# KiCad board Coral Dev Board Micro-PcbDoc.kicad_pcb (continued)
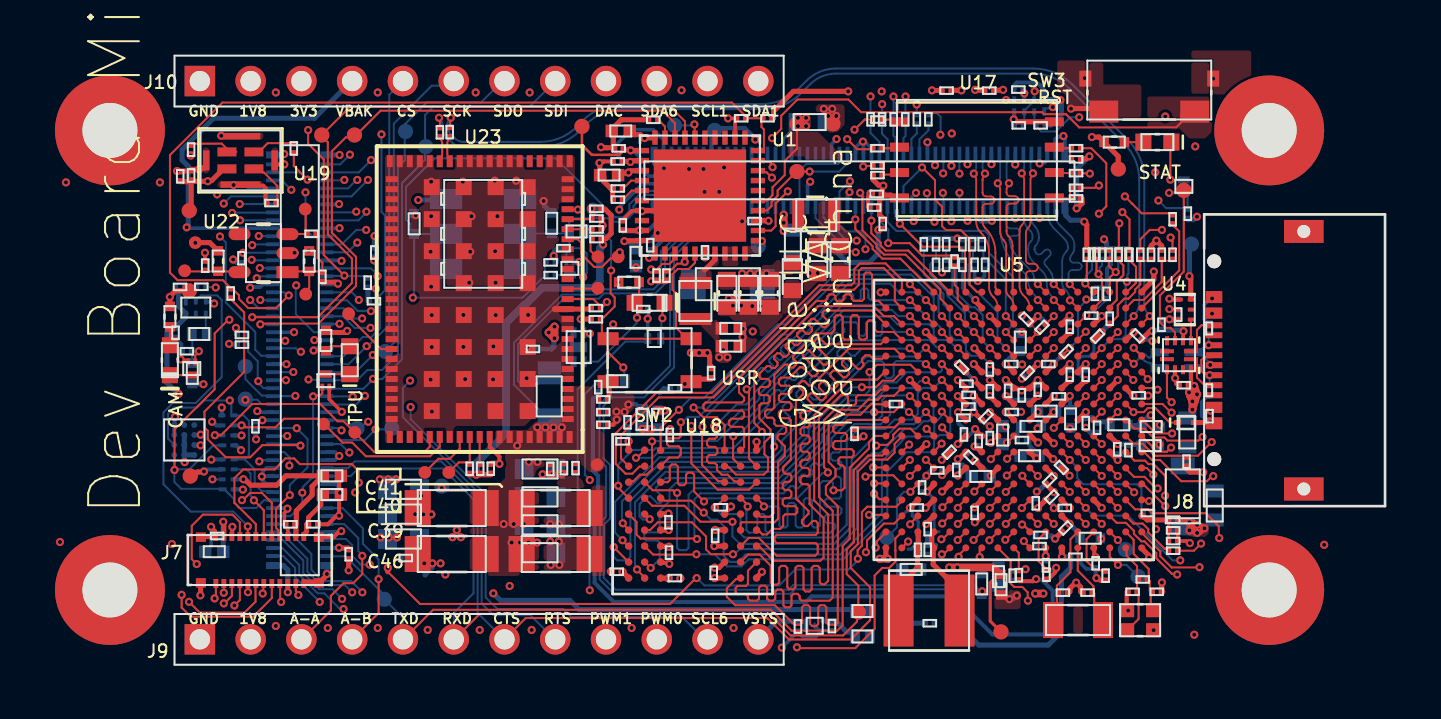
[diagram p0: board, top side]
## Routing (per net, layer and track width the routed paths; a pad name or vN(x,y) marks a point on that pad's centre or on a via; arc(x,y) is an arc through that point) (continued)
SEMC_WE: length 21.4
  Top w0.102: v1(39.02,15.85) U5.E5 ; v1(22.83,8.96) 22.83,8.86 U18.F9
  Bottom w0.102: v1(39.02,15.85) 38.98,15.89 38.76,15.89 38.4,16.25 36.19,16.25 36.18,16.24 33.99,16.24 28.6,10.84 24.71,10.84 24.62,10.75 23.55,10.75 22.83,10.03 v1(22.83,8.96)
SPI6_SCK__JTAG_nTRST: length 52.2
  Top w0.102: v1(39.04,7.07) U5.R5
  In2.Cu w0.102: v1(39.04,7.07) 38.98,7.07 38.58,6.67 36.72,6.67 34.15,9.24 33.16,9.24 32.18,10.22 32.18,11.16 30.55,12.79 27.81,12.79 26.92,13.68 25.29,13.68 24.96,14.01 22.45,14.01 22.04,14.42 18.96,14.42 17.94,15.44 10.61,15.44 v1(10.55,15.5)
  Bottom w0.102: 8.26,14.64 9.69,14.64 10.61,15.56 11.07,15.56 11.6,16.1 11.6,27.08 13.5,28.98 14.34,28.98 14.6,29.24
SPI6_SDI__JTAG_TDI: length 59.4
  Top w0.102: v1(39.02,5.53) 39.11,5.53 39.42,5.84 U5.U5
  In5.Cu w0.102: v1(10.56,14.31) 11.21,13.66 22.66,13.66 23.47,14.47 26.25,14.47 26.51,14.2 30.13,14.2 34.18,10.15 34.18,7.31 35.05,6.44 35.97,6.44 37.07,5.34 38.81,5.34 39,5.53 v1(39.02,5.53)
  Bottom w0.102: J10.8 18.4,27.93 13.59,27.93 13.17,27.51 13.17,25.28 12.9,25.01 12.9,24.99 ; 12.86,24.96 12.86,24.95 12.01,24.1 12.01,15.29 11.02,14.29 10.58,14.29 v1(10.56,14.31) 10.56,14.29 10.08,13.81 8.28,13.81 8.26,13.84
SPI6_SDO__JTAG_TDO: length 59.8
  Top w0.102: v1(39,6.28) 39.05,6.28 U5.T5
  In2.Cu w0.102: v1(7.33,14.28) 7.97,14.92 13.95,14.92 14.96,13.91 21.64,13.91 21.97,13.58 24.81,13.58 25.14,13.25 26.78,13.25 27.64,12.39 30.17,12.39 31.59,10.97 31.59,9.91 34.84,6.66 35.87,6.66 36.95,5.58 38.26,5.58 38.96,6.28 v1(39,6.28)
  Bottom w0.102: 17.06,29.24 15.96,28.14 13.24,28.14 12.15,27.04 12.15,25.24 11.81,24.9 11.81,15.55 11.01,14.75 10.28,14.75 9.77,14.24 8.26,14.24 8.24,14.26 7.35,14.26 v1(7.33,14.28)
TPU_BOOT_FAIL: length 36.2
  Top w0.102: v1(39.04,11.88) 39.04,11.86 39.42,11.47 U5.K5 ; u23.85 20.31,22.79 20.8,22.79 v1(20.81,22.78)
  In5.Cu w0.102: v1(20.81,22.78) 22.16,24.12 27.87,24.12 29.26,25.51 29.26,26.35 29.62,26.71 30.67,26.71 32.3,25.09 34.43,25.09 35.22,24.29 35.26,24.29 35.81,23.74 35.81,23.31 35.53,23.03 34.44,23.03 34.21,22.8 34.21,22.24 34.67,21.78 35.03,21.78 36.32,20.49 36.32,16.07 36.01,15.76 36.01,13.05 36.83,12.24 38.68,12.24 v1(39.04,11.88)
TPU_INTR: length 1.5
  Top w0.102: u23.77 20.32,18.82 21.79,18.82 TP38.1
TPU_POW_EN: length 21.4
  Top w0.102: v1(37.38,11.02) 37.38,11.01 37.02,10.65 U5.L2
  In2.Cu w0.102: v1(23.77,17.37) 24.3,17.9 27.55,17.9 27.86,17.59 29.87,17.59 35.2,12.26 36.14,12.26 v1(37.38,11.02)
  Bottom w0.102: 23.78,17.8 23.78,17.79 23.78,17.37 v1(23.77,17.37) 23.75,17.34 23.75,17.09 21.83,15.17 U21.3
TPU_RST_L: length 22.4
  Top w0.102: 22.01,17.87 21.59,18.3 u23.76 ; 22.01,17.87 22.01,17.85 ; 22.01,17.87 22.26,18.12 v1(22.26,18.15) ; U5.M4 38.62,9.85 38.22,10.25 v1(38.22,10.25)
  In2.Cu w0.102: v1(22.26,18.15) 23.46,16.96 25.49,16.96 25.9,17.37 29.71,17.37 35.02,12.06 35.84,12.06 37.24,10.66 37.82,10.66 v1(38.22,10.25)
USB2_TPU_N: length 47.5
  Top w0.102: U5.C16 v1(48.62,17.45) ; 13.91,26.95 13.91,27.33 v1(13.87,27.37)
  Bottom w0.102: v1(13.87,27.37) arc(13.87,27.33) 13.9,27.29 13.95,27.24 arc(14.01,27.15) 14.03,27.05 14.03,26.89 arc(14.08,26.64) 14.22,26.43 14.5,26.15 arc(14.76,25.98) 15.07,25.91 18.94,25.91 arc(19.37,25.95) 19.78,26.04 arc(20.39,26.32) 20.92,26.73 21.25,27.06 arc(22.07,27.61) 23.04,27.81 30.03,27.81 arc(31.1,28.02) 32,28.62 32.43,29.05 arc(33.02,29.44) 33.72,29.58 43.6,29.58 arc(44.57,29.39) 45.39,28.84 48.15,26.08 arc(48.7,25.26) 48.9,24.29 48.9,18.11 arc(48.82,17.75) v1(48.62,17.45)
USB2_TPU_P: length 47.5
  Top w0.102: U5.C17 v1(49.42,17.45) ; v1(14.45,27.37) 14.42,27.35 14.42,26.98 14.4,26.96
  Bottom w0.102: v1(14.45,27.37) arc(14.44,27.33) 14.42,27.29 14.37,27.24 arc(14.31,27.15) 14.28,27.05 14.28,26.94 arc(14.32,26.74) 14.44,26.57 14.68,26.33 arc(14.86,26.21) 15.08,26.17 18.94,26.17 arc(19.34,26.2) 19.74,26.29 arc(20.27,26.54) 20.74,26.91 21.07,27.24 arc(21.98,27.85) 23.04,28.06 30.03,28.06 arc(31,28.25) 31.83,28.8 32.25,29.23 arc(32.93,29.68) 33.72,29.84 43.6,29.84 arc(44.67,29.63) 45.57,29.02 48.33,26.26 arc(48.94,25.36) 49.15,24.29 49.15,18.11 arc(49.22,17.75) v1(49.42,17.45)
USB_CC1: length 2.2
  Top w0.102: 52.62,13.99 52.53,14.08 52.08,14.08 51.79,14.37 51.79,15.18 51.78,15.18 51.78,15.24 51.74,15.29 U20.1
USB_CC2: length 2.3
  Top w0.102: 52.62,16.99 52.02,16.99 51.79,16.76 51.79,15.8 51.78,15.8 51.78,15.74 51.74,15.69 U20.2
USB_DN_CON: length 3.2
  Top w0.102: 52.62,15.49 52.52,15.39 52.15,15.39 52.01,15.25 52.01,14.71 52.13,14.59 52.32,14.59 v1(52.42,14.49)
  Bottom w0.102: L7.1 51.87,14.84 52.17,14.55 52.36,14.55 v1(52.42,14.49) 52.42,14.04 ESD2.2
USB_DP_CON: length 2.8
  Top w0.102: v1(52.37,15.99) 52.62,15.99 52.62,15.99 ; v1(52.45,15) 52.61,15 52.62,14.99
  Bottom w0.102: ESD1.2 52.37,16.53 v1(52.37,15.99) 52.31,15.94 52.17,15.94 51.87,15.64 ; L7.4 51.89,15.64 51.89,15.63 52.03,15.49 52.04,15.49 52.45,15.08 v1(52.45,15)
USB_OTG1_ID: length 11.2
  Top w0.102: v1(51.99,6.06) 51.63,5.71 50.89,5.71 ; 50.29,14.76 50.29,13.37 v1(50.52,13.14) ; 50.92,5.72 50.92,5.81
  In5.Cu w0.102: v1(50.52,13.14) 50.53,13.14 51.41,12.26 51.41,8.68 52.52,7.57 52.52,6.56 52.02,6.06 v1(51.99,6.06)
USB_OTG1_ID_RT: length 2.9
  Top w0.102: 50.29,5.76 50.24,5.81 50.16,5.81 49.35,6.62 49.35,6.78 49.07,7.06 48.61,7.06 U5.R16
USB_PORT: length 1.1
  Top w0.102: U4.4 51.48,17.27 51.48,16.22 U20.3
USB_PORT_RT: length 20.2
  Top w0.102: 50.88,17.77 50.86,17.79 50.38,17.79 50.36,17.8 ; v1(50.8,4.51) 50.76,4.55 50.53,4.55 49.75,5.33 49.75,5.58 49.16,6.18 49.01,6.18 48.63,6.55 48.63,6.7 48.23,7.1 47.77,7.1 U5.R15
  In5.Cu w0.102: 50.36,17.8 50.03,17.47 50.03,17.11 50.14,17.01 50.14,14.09 50.24,13.99 50.24,13.65 49.96,13.37 49.96,12.66 51.05,11.57 51.05,5.74 51.3,5.48 51.3,5.05 50.8,4.54 v1(50.8,4.51)
  Bottom w0.102: 50.85,17.82 50.83,17.81 50.38,17.81 50.36,17.8 50.38,17.79
  vias: v1(50.4,17.8)
USDHC2_CLK: length 59.3
  Top w0.102: U5.F14 v1(47.02,15.05)
  In2.Cu w0.102: v1(4.52,21) 5.1,21 5.28,21.18 5.28,25.34 5.88,25.94 6.44,25.94 6.65,25.72 8.3,25.72 8.53,25.95 9.75,25.95 10.02,25.68 11.34,25.68 11.48,25.82 18.82,25.82 19.3,26.31 23.54,26.31 24.12,25.72 29.84,25.72 30.09,25.97 32.57,25.97 33.44,25.1 33.44,21.36 34.59,20.21 36.47,20.21 36.8,20.55 38.04,20.55 38.23,20.36 43.85,20.36 45.02,19.19 45.02,14.91 45.26,14.67 46.64,14.67 v1(47.02,15.05)
  Bottom w0.102: J5.79 4.56,21.04 v1(4.52,21)
USDHC2_CMD: length 64.6
  Top w0.102: U5.E14 v1(47.02,15.85)
  In2.Cu w0.102: v1(4.85,21.46) 4.9,21.51 4.9,25.75 5.58,26.43 6.85,26.43 7.08,26.2 7.84,26.2 8.2,26.56 10.05,26.56 10.63,25.99 11.22,25.99 11.36,26.13 18.69,26.13 19.28,26.72 24.76,26.72 25.35,26.13 28.88,26.13 29.46,26.71 30.75,26.71 31.13,26.33 32.94,26.33 33.32,26.71 34.02,26.71 34.46,27.16 34.82,27.16 35.43,26.55 35.43,25.95 35.15,25.67 34.87,25.67 34.53,25.33 34.53,24.7 34.88,24.35 36.47,24.35 36.88,23.94 36.88,23.39 37.45,22.81 44.19,22.81 44.75,23.37 45.97,23.37 46.2,23.13 46.2,22.73 45.79,22.32 45.79,21.75 46.85,20.69 47.27,20.69 48.31,19.65 48.31,19.19 v1(48.28,19.17)
  Bottom w0.102: 48.36,20.22 48.36,19.58 48.31,19.53 48.31,19.19 48.22,19.11 48.22,18.96 48.22,18.96 48.22,16.49 48.02,16.29 47.47,16.29 v1(47.02,15.85) ; J5.81 5.54,21.45 4.86,21.45 v1(4.85,21.46)
USDHC2_DATA0: length 66.1
  Top w0.102: U5.E15 v1(47.82,15.85)
  In2.Cu w0.102: v1(47.82,15.85) 47.39,16.28 47.39,17.78 48.64,19.02 48.64,19.73 47.43,20.94 46.99,20.94 46.5,21.42 46.5,23.11 45.99,23.63 44.59,23.63 43.97,23.02 37.54,23.02 37.08,23.47 37.08,24.12 36.63,24.57 34.94,24.57 34.73,24.78 34.73,25.18 35,25.44 35.3,25.44 35.63,25.77 35.63,26.64 34.87,27.4 34.36,27.4 33.93,26.97 33.24,26.97 32.81,26.54 31.22,26.54 30.83,26.92 29.38,26.92 28.82,26.36 25.41,26.36 24.84,26.92 19.2,26.92 18.66,26.38 11.32,26.38 11.13,26.19 10.79,26.19 10.21,26.76 8.12,26.76 7.76,26.4 7.17,26.4 6.83,26.74 5.51,26.74 4.7,25.93 4.7,22.12 4.02,21.44 4.02,20.66 v1(4.06,20.62)
  Bottom w0.102: v1(4.06,20.62) 4.03,20.64 3.98,20.64 4.01,20.62 5.52,20.62 J5.77
USDHC2_DATA1: length 58.5
  Top w0.102: U5.H13 v1(46.22,13.45)
  In2.Cu w0.102: v1(46.22,13.45) U5.H13 44.52,13.05 44.24,13.32 44.24,14.34 43.94,14.65 43.72,14.65 43.44,14.93 43.44,18.04 41.72,19.76 39.93,19.76 39.44,19.28 38.88,19.28 38.59,19.57 38.3,19.57 37.83,20.04 37.01,20.04 36.6,19.63 34.46,19.63 32.92,21.16 32.92,24.85 32.31,25.46 30.32,25.46 29.19,24.33 26.06,24.33 25.8,24.07 23.06,24.07 22.53,24.61 21.44,24.61 20.78,25.27 11.88,25.27 11.31,24.7 8.11,24.7 7.92,24.88 6.78,24.88 5.84,23.94 5.84,20.8 v1(4.9,19.86)
  Bottom w0.102: v1(4.9,19.86) 5.53,19.86 J5.73
USDHC2_DATA2: length 60.1
  Top w0.102: v1(47.02,12.67) 47.02,12.65 U5.J14
  In2.Cu w0.102: v1(47.02,12.67) 46.61,13.09 46.61,13.57 46.37,13.8 45.29,13.8 44.22,14.88 44.22,19.25 43.41,20.05 38.1,20.05 37.92,20.24 36.93,20.24 36.52,19.83 34.54,19.83 33.13,21.24 33.13,24.94 32.41,25.66 30.24,25.66 29.84,25.27 26.11,25.27 25.12,24.28 23.19,24.28 22.58,24.89 22.58,24.93 22.01,25.49 11.58,25.49 10.99,24.9 8.36,24.9 8.15,25.11 6.72,25.11 5.63,24.03 5.63,20.97 4.92,20.26 v1(4.49,20.26)
  Bottom w0.102: J5.75 4.51,20.24 v1(4.49,20.26)
USDHC2_DATA3: length 61
  Top w0.102: U5.J15 v1(47.82,12.65)
  In2.Cu w0.102: v1(47.82,12.65) 47.47,12.29 44.47,12.29 44.27,12.5 44.27,12.9 44.09,13.07 43.63,13.07 43.38,13.33 43.38,14.47 43.17,14.67 42.85,14.67 42.62,14.9 42.62,17.99 41.05,19.56 40.19,19.56 39.65,19.02 38.86,19.02 38.5,19.37 38.22,19.37 37.75,19.84 37.1,19.84 36.68,19.42 34.36,19.42 32.52,21.26 32.52,23.57 30.84,25.26 30.41,25.26 29.27,24.12 26.18,24.12 25.93,23.87 22.98,23.87 22.44,24.4 21.35,24.4 20.69,25.06 12.21,25.06 11.06,23.91 8.24,23.91 7.46,24.68 6.87,24.68 6.04,23.85 6.04,20.38 5.04,19.37 4.77,19.37 v1(4.75,19.35)
  Bottom w0.102: v1(4.75,19.35) 4.84,19.44 J5.71
USER_BUTTON: length 51.4
  Top w0.102: U5.R10 v1(43.82,7.05)
  In2.Cu w0.102: v1(6.27,11.45) 6.28,11.46 7.12,11.46 8.49,10.09 14.46,10.09 15.49,9.06 21.23,9.06 v1(21.41,9.24) 21.41,8.78 22.25,7.94 25.8,7.94 26.51,7.23 27.73,7.23 28.24,6.72 30.27,6.72 33.78,3.22 38.03,3.22 38.34,2.91 41.36,2.91 41.83,3.39 41.83,4.01 43.48,5.66 43.48,6.71 v1(43.82,7.05)
  Bottom w0.102: J5.31 6.26,11.44 v1(6.27,11.45) ; v1(21.41,9.24) 21.41,9.26 21.17,9.51 21.17,13.54 21.73,14.1 21.73,14.12 21.8,14.19 22.38,14.19
USER_LED: length 67.6
  Top w0.102: U5.M10 v1(43.82,9.45)
  In2.Cu w0.102: v1(43.82,9.45) 44.24,9.03 44.8,9.03 45.03,8.81 45.03,6.78 45.39,6.42 45.39,3.75 43.73,2.1 38,2.1 37.7,2.41 32.51,2.41 31.19,3.73 v1(21.41,3.73) 21.35,3.67 21.21,3.67 21.2,3.65 19.63,3.65 18.68,4.6 17.89,4.6 15.39,7.1 9.02,7.1 9.01,7.1 8.72,7.1 8.71,7.1 8.57,7.1 7.57,8.11 7.57,8.57 6.85,9.29 5.76,9.29 v1(4.87,10.18)
  Bottom w0.102: Q2.1 24.29,16.17 23.19,16.17 20.8,13.78 20.8,8.84 21.4,8.25 21.4,3.74 v1(21.41,3.73) ; J5.25 5.54,10.24 5.02,10.24 4.96,10.18 v1(4.87,10.18)
VSYS: length 21.6
  Top w0.203: 50.89,7.25 50.91,7.24 51.24,7.24 51.35,7.13 v1(51.41,7.13)
  Top w0.254: v1(51.41,6.72) v1(51.41,7.13) 51.62,7.13 51.75,7 v1(51.79,7) ; v1(51.41,6.72) 51.68,6.63 51.72,6.6 v1(51.79,6.6) 51.82,6.63 51.95,6.63 52.15,6.83 ; v1(51.41,6.72) 51.45,6.72 51.7,6.97 51.76,6.97 v1(51.79,7) ; 52.15,6.83 52.12,6.83 51.97,6.97 51.82,6.97 v1(51.79,7) ; 52.15,6.83 v1(52.16,6.83) ; 27.48,14.94 27.41,14.94 27.41,15.44 27.29,15.56 27.29,15.6
  Top w0.381: 27.29,15.6 27.29,15.6 26.89,15.6 26.88,15.61 v1(26.47,15.61)
  In2.Cu w0.254: 27.29,15.6 26.89,15.6 26.88,15.61 v1(26.47,15.61)
  In2.Cu w0.381: v1(11.72,9.28) v1(11.31,9.28) v1(10.91,9.28) ; v1(11.76,6.37) v1(11.35,6.37) v1(10.94,6.37)
  In3.Cu w0.381: v1(10.94,6.37) v1(11.35,6.37) v1(11.76,6.37)
  In4.Cu w0.381: 11.81,6.37 v1(11.76,6.37) v1(11.35,6.37) 10.99,6.37 ; v1(10.91,9.28) v1(11.31,9.28) v1(11.72,9.28) ; v1(26.47,15.61) 26.88,15.61 26.89,15.6 27.29,15.6 27.29,15.6 ; v1(51.79,6.6) v1(52.16,6.83) v1(51.41,7.13) v1(51.41,6.72) v1(51.79,6.6)
  In5.Cu w0.381: 27.29,15.6 27.29,15.6 26.89,15.6 26.88,15.61 v1(26.47,15.61) ; v1(11.72,9.28) v1(11.31,9.28) v1(10.91,9.28) ; v1(11.76,6.37) 11.75,6.36 11.6,6.36 11.59,6.36 11.35,6.36 ; 10.99,6.37 v1(11.35,6.37) ; v1(51.41,6.72) v1(51.41,7.13) 51.43,7.13 51.44,7.11 v1(52.16,6.83) v1(51.79,6.6) v1(51.41,6.72)
  Bottom w0.102: 51.13,6.93 51.33,6.72 v1(51.41,6.72) ; 31.79,2.18 31.79,2.18 ; 32.27,2.18 U2.4
  Bottom w0.254: 31.79,2.18 32.27,2.18 ; U2.4 32.23,2.14 32.23,1.76 U2.3 ; J9.12 30.75,2.18 31.79,2.18
  Bottom w0.381: v1(10.91,9.28) v1(11.31,9.28) v1(11.72,9.28)
  vias: v1(26.88,15.61) v1(27.29,15.61)
VSYS_DA: length 17.9
  Top w0.254: U1.40 24.67,26.38 24.66,26.37 24.16,26.37 v1(24.15,26.36) 24.11,26.36 23.94,26.53 23.59,26.53 C32.1
  In2.Cu w0.381: v1(29.03,19.58) v1(29.43,19.58) v1(29.84,19.58) v1(30.25,19.58)
  In3.Cu w0.508: v1(30.25,19.58) v1(29.84,19.58) v1(29.43,19.58) v1(29.03,19.58)
  In4.Cu w0.254: v1(29.03,19.58) 29.03,20.52 27.47,22.08 26.5,22.08 24.48,24.1 23.24,24.1 22.88,24.45 22.88,25.93 23.31,26.36 v1(24.15,26.36)
  In4.Cu w0.381: v1(29.03,19.58) 29.03,19.57 29.16,19.57 29.17,19.56 29.42,19.56 v1(29.43,19.58) v1(29.84,19.58) v1(30.25,19.58)
  In5.Cu w0.381: v1(29.03,19.58) v1(29.43,19.58) v1(29.84,19.58) v1(30.25,19.58)
VSYS_SNVS_D: length 2
  Bottom w0.102: U2.1 33.07,2.2 ; 33.52,2.2 33.53,2.2
  Bottom w0.254: 33.07,2.2 33.52,2.2 ; 33.53,2.2 33.7,2.2 34.27,1.64 34.55,1.64 34.67,1.52 D2.A
VUSB: length 16.3
  Top w0.102: v1(52.54,17.57) 52.59,17.57 52.62,17.6 ; 52.62,12.88 52.62,12.87 v1(52.47,12.72)
  Top w0.178: 51.09,16.21 51.1,16.23 51.1,16.68 v1(51.11,16.69)
  Top w0.203: 51.43,13.89 51.43,13.67 v1(51.39,13.63) ; 51.43,13.99 51.48,14.05 U20.12
  Top w0.254: 51.48,18.3 51.48,19.34 51.41,19.41 v1(51.41,19.45) ; v1(49.55,16.71) 49.52,16.68 49.42,16.68 49.11,16.37 49.11,16.36 49.02,16.27 U5.D17
  Top w0.381: 51.78,13.53 v1(51.79,13.53) ; v1(51.79,13.53) v1(51.56,12.77) v1(51.56,13.18) ; v1(51.79,13.53) 51.78,13.54 51.48,13.54 51.47,13.55 ; v1(51.79,13.53) v1(51.65,13.95) 51.52,13.8 arc(51.45,13.62) 51.46,13.43 ; 51.5,13.76 51.5,13.86 51.52,13.89 ; 51.46,13.43 v1(51.39,13.63) 51.39,13.62 ; 51.46,13.43 51.47,13.42 ; 51.46,13.43 arc(51.47,13.42) 51.47,13.42 ; 51.47,13.41 v1(51.56,13.18) ; 51.47,13.41 51.47,13.42 ; 51.47,13.41 51.47,13.42 ; 51.47,13.41 v1(51.56,13.18) ; v1(51.56,13.18) 51.47,13.42 51.47,13.42 ; 51.58,13.87 51.6,13.89
  In2.Cu w0.381: v1(51.56,12.77) v1(51.56,13.18) 51.55,13.18 51.55,13.46 51.39,13.62 v1(51.39,13.63) v1(51.65,13.95) v1(51.79,13.53) 51.79,13.52 51.56,13.3
  In4.Cu w0.381: 51.46,13.56 51.47,13.54 51.47,13.42 v1(51.56,13.18) ; 51.67,13.56 51.63,13.6 51.52,13.6 ; v1(51.56,13.18) v1(51.39,13.63) 51.57,13.85 ; v1(51.56,13.18) v1(51.56,12.77) v1(51.79,13.53) 51.72,13.74 ; 51.72,13.74 v1(51.65,13.95) ; 51.72,13.74 v1(51.65,13.95) ; 51.57,13.85 51.57,13.86 ; 51.57,13.85 v1(51.65,13.95)
  Bottom w0.102: 52.41,12.74 52.45,12.74 v1(52.47,12.72)
  Bottom w0.254: v1(51.11,16.69) 51.07,16.69 51.02,16.74 50.01,16.74 50.01,16.74 49.63,16.74 49.59,16.71 v1(49.55,16.71) ; TP45.1 51.41,20.95 51.41,20.65 51.41,20.65 v1(51.41,19.45)
VUSB_R: length 0.7
  Bottom w0.102: 51.44,9.8 51.25,9.8 51.08,9.98 ; 51.25,10.05 51.41,10.2 51.44,10.2
WAKEUP: length 39.1
  Top w0.102: v1(41.4,6.23) U5.T8
  In2.Cu w0.102: v1(10.32,12.16) 10.35,12.18 10.92,12.18 11.13,11.98 18.18,11.98 18.73,11.42 21.24,11.42 23.3,9.37 24.83,9.37 25.08,9.62 29.53,9.62 32.2,6.96 32.2,6.48 34.39,4.29 38.6,4.29 38.78,4.11 40.14,4.11 41.4,5.37 v1(41.4,6.23)
  Bottom w0.102: TP9.1 9.91,11.83 10.24,12.16 v1(10.32,12.16) ; 9.64,11.83 9.22,12.24 8.26,12.24
WIFI_POWER_EN: length 47.9
  Top w0.102: U5.R11 v1(44.62,7.05)
  In2.Cu w0.102: v1(6.38,9.97) 6.46,9.97 8.53,7.89 15.1,7.89 17.41,5.58 21.05,5.58 22.7,3.93 31.52,3.93 32.84,2.61 37.78,2.61 38.09,2.3 43.43,2.3 44.5,3.37 44.5,4.26 43.86,4.89 43.86,6.29 v1(44.62,7.05)
  Bottom w0.102: v1(6.38,9.97) 6.4,9.99 6.4,10.37 6.13,10.64 J5.27
WIFI_SDIO_CLK: length 54.5
  Top w0.102: U5.D15 v1(47.82,16.65)
  In5.Cu w0.102: v1(47.82,16.65) 47.45,16.27 46.91,16.27 46.64,16.01 46.64,14.94 46.37,14.67 43.18,14.67 43.17,14.67 42.88,14.67 42.87,14.67 37.59,14.67 37.03,15.23 37.03,21.46 36.53,21.96 36.53,22.51 36.8,22.78 36.8,24.3 35.4,25.7 34.68,25.7 34.53,25.85 32.42,25.85 30.95,27.32 29.37,27.32 28.04,26 25.29,26 24.51,26.79 21.74,26.79 20.34,25.39 11.98,25.39 10.85,24.26 v1(10.31,24.26)
  Bottom w0.102: v1(10.31,24.26) 9.49,23.44 8.26,23.44
WIFI_SDIO_CMD: length 52
  Top w0.102: 50.56,20.82 50.56,21.2 50.47,21.3 v1(50.47,21.38)
  In5.Cu w0.102: v1(9.41,25.53) 10.07,26.19 11.15,26.19 11.67,26.71 20.18,26.71 21.19,27.73 27.63,27.73 28.04,28.14 30.28,28.14 31.87,29.73 44.95,29.73 46.75,27.93 48.51,27.93 51.84,24.61 51.84,23.13 50.47,21.76 v1(50.47,21.38)
  Bottom w0.102: v1(9.41,25.53) 8.92,25.04 8.26,25.04
WIFI_SDIO_CMD_R: length 3.9
  Top w0.102: U5.B16 48.63,18.26 49.12,18.26 50.03,19.16 50.03,20.22 50.56,20.22
WIFI_SDIO_D0: length 53
  Top w0.102: v1(50.03,21.76) 49.42,21.76 48.95,21.29 48.95,20.82
  In5.Cu w0.102: v1(9.13,24.26) 9.13,24.71 10.41,25.99 11.23,25.99 11.76,26.51 20.26,26.51 21.25,27.5 27.69,27.5 28.13,27.94 30.37,27.94 31.95,29.53 44.86,29.53 46.69,27.7 48.39,27.7 51.53,24.56 51.53,23.26 v1(50.03,21.76)
  Bottom w0.102: 8.26,24.24 9.11,24.24 v1(9.13,24.26)
WIFI_SDIO_D0_R: length 4.4
  Top w0.102: 48.95,20.22 48.95,19.04 48.69,18.78 48.69,18.66 48.36,18.32 48.15,18.32 47.82,17.99 47.82,17.45 U5.C15 ; 48.95,20.21 49.45,20.21
WIFI_SDIO_D1: length 49.8
  Top w0.102: v1(48.18,23.44) 49.02,22.59 50.57,22.59
  In5.Cu w0.102: v1(48.18,23.44) 48.18,25.47 46.88,26.77 45.76,26.77 45.03,27.5 43.63,27.5 42.69,28.44 42.69,28.93 42.29,29.33 32.45,29.33 30.86,27.73 28.21,27.73 27.16,26.69 26.26,26.69 25.7,27.25 21.29,27.25 20.3,26.26 11.79,26.26 11.32,25.78 10.49,25.78 9.78,25.07 v1(9.78,24.26)
  Bottom w0.102: 8.26,23.84 9.31,23.84 9.74,24.26 v1(9.78,24.26)
WIFI_SDIO_D1_R: length 5.1
  Top w0.102: 50.57,21.99 50.59,21.99 50.67,21.92 50.67,21.92 50.9,21.68 50.9,19.73 49.02,17.86 U5.B17
WIFI_SDIO_D2: length 55.9
  Top w0.102: 47.88,20.82 47.88,22.07 v1(47.9,22.09)
  In2.Cu w0.102: v1(47.9,22.09) 47.9,22.17 47.62,22.45 47.62,22.68 46.26,24.04 44.42,24.04 43.87,23.49 40.66,23.49 40.13,24.02 37.97,24.02 35.84,26.15 35.84,26.82 34.95,27.7 34.21,27.7 33.6,28.31 31.9,28.31 30.7,27.12 29.29,27.12 28.73,26.56 25.49,26.56 24.93,27.13 19.11,27.13 18.57,26.59 12.54,26.59 12.01,27.11 5.53,27.11 4.49,26.08 4.49,22.8 3.93,22.24 v1(3.91,22.24)
  Bottom w0.102: J5.85 5.54,22.24 3.91,22.24 v1(3.91,22.24)
WIFI_SDIO_D2_R: length 2.8
  Top w0.102: 47.88,20.22 47.9,20.22 47.97,20.14 47.97,20.12 48.1,19.99 48.1,19.49 48,19.39 48,19.39 47.88,19.27 47.77,19.17 47.77,18.26 47.42,17.9 U5.B15
WIFI_SDIO_D3: length 48
  Top w0.102: 48.41,20.82 48.41,22.29 v1(48.05,22.65)
  In5.Cu w0.102: v1(10.47,25.26) 11.08,25.26 11.85,26.03 20.35,26.03 21.37,27.04 25.55,27.04 26.11,26.48 28.03,26.48 29.07,27.53 31.03,27.53 31.82,28.31 34.54,28.31 35.33,29.1 38.88,29.1 39.59,28.39 41.5,28.39 42.01,27.88 42.96,27.88 43.63,27.22 44.88,27.22 46.07,26.03 46.76,26.03 47.72,25.06 47.72,22.98 v1(48.05,22.65)
  Bottom w0.102: 8.26,24.64 9.85,24.64 v1(10.47,25.26)
WIFI_SDIO_D3_R: length 2
  Top w0.102: 48.41,20.22 48.44,20.22 48.74,19.91 48.74,19.12 48.71,19.1 48.71,19.09 48.27,18.65 U5.A16
WL_ANT_SEL: length 37.5
  Top w0.102: v1(39.82,17.45) U5.C6
  In2.Cu w0.102: v1(9.72,22.67) 10.13,23.08 11.76,23.08 12.45,23.77 21.96,23.77 22.47,23.26 25.05,23.26 25.58,22.73 28.25,22.73 28.7,23.17 31.38,23.17 31.7,22.85 31.7,20.87 32.05,20.52 32.05,19.19 33.38,17.87 39.4,17.87 v1(39.82,17.45)
  Bottom w0.102: v1(9.72,22.67) 9.69,22.64 8.26,22.64
WL_HOST_WAKE: length 38.5
  Top w0.102: v1(39.82,16.65) U5.D6
  In2.Cu w0.102: v1(10.23,22.67) 12.14,22.67 12.34,22.88 17.99,22.88 18.67,23.56 21.57,23.56 22.76,22.37 23.19,22.37 23.88,23.06 24.96,23.06 25.52,22.5 28.37,22.5 28.84,22.97 31.22,22.97 31.47,22.72 31.47,20.76 31.82,20.41 31.82,19.05 33.83,17.04 39.43,17.04 v1(39.82,16.65)
  Bottom w0.102: 8.26,22.24 9.84,22.24 10.23,22.64 v1(10.23,22.67)
WL_REG_ON: length 75.5
  Top w0.102: U5.J16 48.66,11.81 49.16,11.81 49.6,11.37 50.16,11.37 50.31,11.22 51.85,11.22 52.03,11.4 v1(52.07,11.4)
  In2.Cu w0.102: v1(2.76,23.54) 2.76,25.54 5.15,27.93 18.77,27.93 18.78,27.94 26.18,27.94 26.34,28.11 28.64,28.11 28.8,27.94 30.38,27.94 31.92,29.48 44.52,29.48 46.33,27.68 48.38,27.68 51.3,24.76 51.3,22.27 51.53,22.04 51.53,19.93 51.89,19.58 51.89,16.3 51.74,16.15 51.74,14.36 52.14,13.96 52.14,13.18 51.94,12.98 51.94,12.97 51.91,12.95 51.91,11.61 52.07,11.46 v1(52.07,11.4)
  Bottom w0.102: v1(2.76,23.54) 2.88,23.65 4.12,23.65 4.31,23.84 4.97,23.84 4.97,23.84 J5.93

## Copper pours and planes (outline as drawn; the poured copper is in the pictures)
GND on Top: 47.1,29.04 47.1,30.24 44.8,30.24 44.8,28.44 46.2,27.04 48.8,27.04 49,27.24 49,29.04
GND on Top: 20.64,20.9 20.64,19.66 20.57,19.59 19.91,19.59 19.87,19.55 19.87,17.57 19.95,17.49 20.57,17.49 20.61,17.46 20.61,14.14 19.76,14.14 19.5,13.89 19.5,12.64 19.16,12.3 18.5,12.3 18.14,11.94 14.73,11.94 14.59,11.8 14.59,11.13 14.55,11.09 14.23,11.09 14.21,11.12 14.21,11.8 14.14,11.87 13.17,11.87 13.09,11.79 13.09,11.14 13.04,11.09 12.76,11.09 12.75,11.11 12.75,11.7 12.73,11.71 12.58,11.71 12.56,11.69 12.56,11.11 12.54,11.09 12.25,11.09 12.24,11.11 12.24,11.69 12.21,11.71 12.07,11.71 12.06,11.7 12.06,11.11 12.05,11.09 11.76,11.09 11.74,11.11 11.74,11.7 11.73,11.71 11.57,11.71 11.55,11.7 11.55,11.11 11.54,11.09 11.24,11.09 11.16,11.17 11.16,25.42 11.26,25.52 20.53,25.52 20.67,25.39 20.67,23.18 20.62,23.13 19.94,23.13 19.86,23.06 19.86,21.01 19.91,20.96 20.58,20.96
GND on Top: 51.5,28.54 53.6,28.54 54.5,29.44 54.5,30.74 51.5,30.74
GND on Top: 21.28,8.98 22.09,8.98 22.2,8.88 22.2,8.6 22.2,4.52 22.12,4.44 19.3,4.44 19.1,4.64 19.1,9.75 19.19,9.84 20.42,9.85
GND on Top: 32.38,20.19 32.3,20.11 32.3,19.68 32.08,19.45 31.8,19.45 31.64,19.3 31.19,19.3 31.09,19.19 31.09,18.81 30.83,18.56 27.86,18.56 27.76,18.46 27.76,17.52 27.83,17.44 28.37,17.44 28.57,17.24 28.57,15.61 28.65,15.54 29.18,15.54 31.37,17.72 32.79,19.14 34.31,19.14 34.41,19.25 34.41,20.08 34.31,20.19
GND on Top: 22.16,13.53 22.26,13.63 23.52,13.63 23.64,13.51 23.64,12.86 22.59,11.8 22.2,11.8 22.16,11.84
GND on Bottom: 19.1,10.34 19.19,10.43 20.31,10.43 20.47,10.27 20.47,4.95 20.32,4.79 19.25,4.79 19.1,4.95
GND on Bottom: 35.34,4.37 35.12,4.59 35.12,5.05 35.45,5.38 35.78,5.38 36.11,5.71 36.5,5.71 36.8,5.4 37.23,5.4 37.38,5.25 37.38,4.44 37.32,4.37
GND on Bottom: 15.3,4.03 15.38,4.11 15.38,7.36 13.3,9.44 12.44,9.44 12.29,9.29 12.29,4.95 13.2,4.03
GND on Bottom: 41.58,2.05 41.78,1.85 44.01,1.85 44.29,2.13 44.29,3.7 44.04,3.95 43.38,3.95 43,4.34 41.63,4.34 41.58,4.29
GND on Bottom: 22.55,13.2 24.22,13.2 24.23,13.21 24.34,13.1 24.34,12.44 24.28,12.38 24.24,12.41 23.68,12.41 23.5,12.24 23.01,12.24 22.89,12.12 22.89,11.05 22.75,10.91 22.74,10.93 22.39,10.93 22.28,11.03 22.28,12.96 22.48,13.15
GND on Bottom: 20.9,16.27 20.83,16.19 20.49,16.19 20.38,16.08 20.38,15.65 21.39,15.65 22.53,16.78 22.83,16.78 22.91,16.86 22.91,17.21 22.81,17.32 21.67,17.32 21.31,16.95 20.99,16.95 20.9,16.86
GND on Bottom: 12.85,12.51 12.85,20.48 13.27,20.9 13.27,25.43 20.52,25.43 21.85,26.76 22.49,26.76 22.7,26.55 22.7,24.15 22.27,23.72 20.51,23.72 20.26,23.96 17.08,23.94 16.93,23.78 16.93,20.93 17.13,20.73 18.53,20.73 18.77,20.49 18.77,19.13 17.92,18.29 17.9,18.27 16.93,17.3 16.93,11.89 16.66,11.63 16.66,10.62 16.56,10.52 14.84,10.52
GND on In1.Cu: outline of 174 points within -5.85,0.49 58.65,29.99
GND on In3.Cu: 3.53,24.88 4.94,23.47 10.71,23.47 10.78,23.41 19.15,23.41 20.09,22.47 20.09,18.69 18.6,17.2 18.6,15.65 18.69,15.56 18.69,14.11 18.27,13.7 18.27,12.26 17.37,11.36 17.37,10.72 17.55,10.55 20.33,10.55 20.43,10.65 20.43,11.89 20.84,12.3 20.85,12.29 22.34,12.29 22.34,11.57 22.08,11.31 22.08,9.58 21.83,9.33 16.43,9.33 15.93,9.82 11.05,9.82 10.3,9.07 10.3,5.56 12.28,3.57 12.28,0.54 12.01,0.27 0,0.27 0.1,0.37 0.1,30.43 0.26,30.6 3.22,30.6 3.53,30.29
GND on In3.Cu: 25.88,22.7 25.6,22.42 25.6,21.38 25.19,20.97 25.19,18.71 24.09,17.61 23.82,17.61 20.42,14.2 20.42,11.21 20.75,10.88 21.79,10.88 23.48,12.57 24.52,12.57 24.52,12.82 24.67,12.97 26.22,12.97 26.5,13.25 26.73,13.25 28.08,11.91 31.3,11.91 32.13,11.08 32.13,5.03 34.2,2.96 36.69,2.96 37.11,3.39 37.11,10.71 37.22,10.83 39.9,10.83 40.05,10.98 40.05,11.55 39.29,12.31 38.07,12.31 37.87,12.51 37.87,16.02 38.43,16.58 38.43,16.91 37.89,17.46 37.89,18.92 37.54,19.27 34.64,19.27 31.21,22.7
GND on In4.Cu: 45.73,8.26 45.73,8.71 46.42,9.4 46.42,9.91 46.55,10.05 47.41,10.05 47.61,9.85 47.61,9.36 47.69,9.27 53.9,9.27 54.23,9.59 58.39,9.59 58.63,9.34 58.63,7.52 58.06,6.95 54.01,6.95 52.75,5.69 52.75,0.99 52.27,0.51 10.32,0.51 10.13,0.7 10.13,2.2 10.02,2.32 10.02,4.58 10.04,4.6 10.04,9.17 10.61,9.75 20.63,9.75 23.11,12.22 25.68,12.22 25.79,12.34 25.79,15.27 25.05,16.01 23.16,16.01 22.65,15.51 13.2,15.51 11.71,17.01 11.71,22.9 13.33,24.53 24.16,24.53 27.59,21.1 29.56,21.1 32.81,17.85 32.81,12.67 34.79,10.69 34.79,8.78 36.48,7.09 36.48,5.82 38.2,4.11 40.83,4.11 42.03,2.9 43.11,2.9 43.57,2.43 47.23,2.43 47.42,2.62 47.42,5.78 46.68,6.52 45.92,6.52 45.73,6.71